# Altium PCB Digital_Output_PCB.PcbDoc (part 1 of 3) (continued)
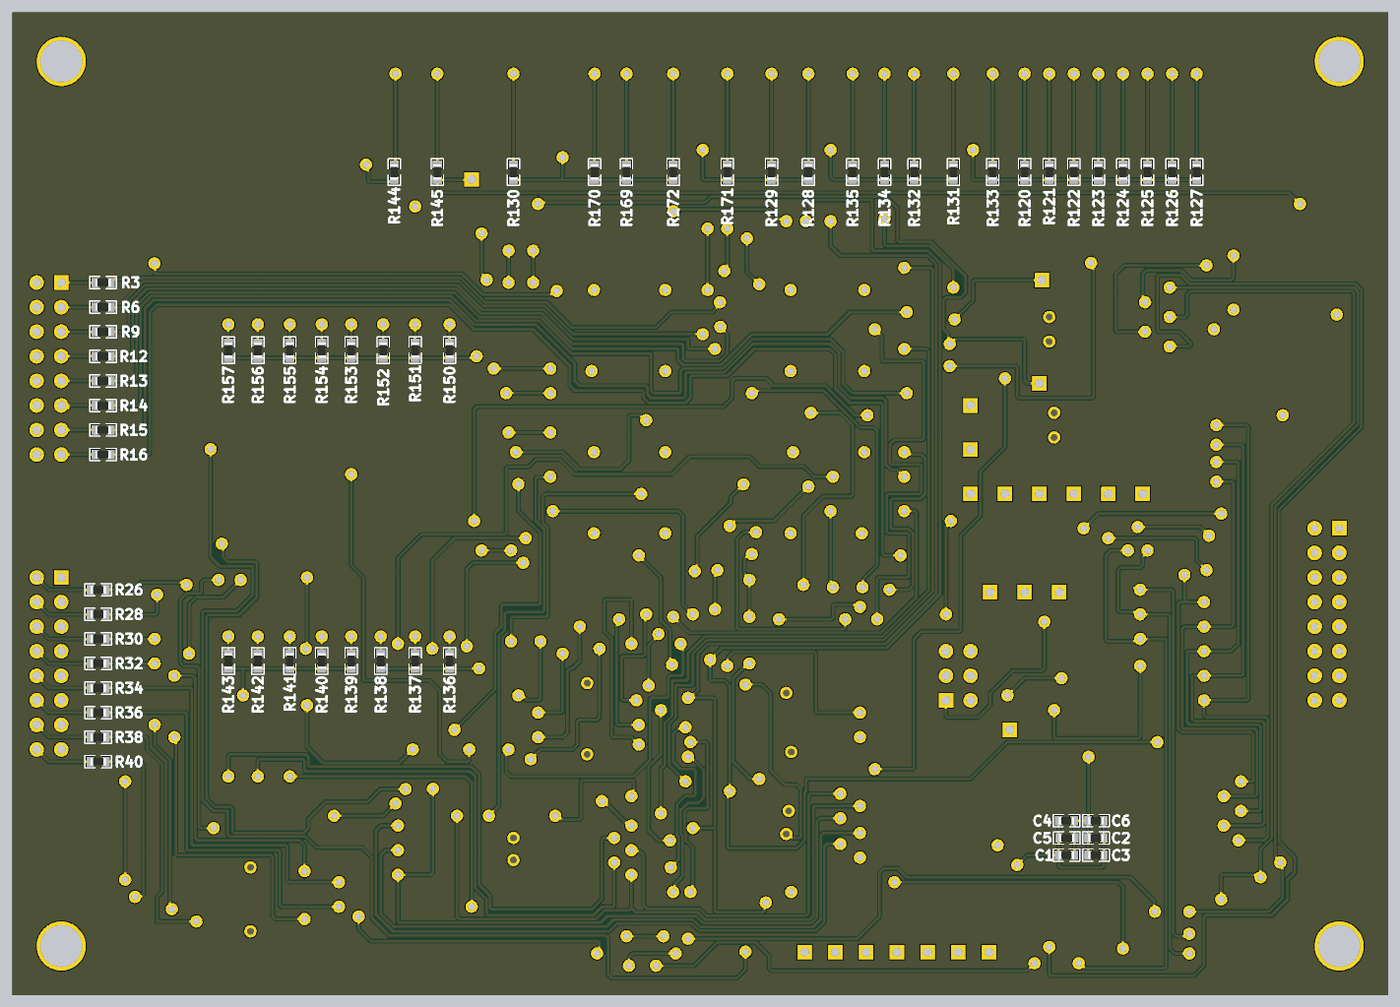
[diagram p7: 3D render of the assembled board from below, using the file's embedded part models]

## Layer stack, top to bottom
Top Solder: solder mask 0.4, Solder Resist, Dk 3.5
Top Layer: signal copper 1.4
Dielectric 2: prepreg 2.8, PP-006, Dk 4.1
Plane(Gnd): plane copper 1.378, net GND
Dielectric 1: dielectric 12.6, FR-4, Dk 4.8
Plane(Power): plane copper 1.378, net +5
Dielectric 3: prepreg 2.8, PP-006, Dk 4.1
Bottom Layer: signal copper 1.4
Bottom Solder: solder mask 0.4, Solder Resist, Dk 3.5

## Board outline
0,0 0,4000 5600,4000 5600,0

## Design rules (kind name [scope] priority, off if disabled: settings)
Clearance [All] p1: gap=5 ignorepadtopadclearanceinfootprint=FALSE
HoleSize [All] p1: absolutevalues=TRUE maxlimit=200 minlimit=1 maxpercent=80.000 minpercent=20.000
HoleToHoleClearance [All] p1: gap=5 allowstackedmicrovias=TRUE
MinimumSolderMaskSliver [All] p1: minsoldermaskwidth=1.5
PlaneClearance [All] p1: clearance=20
PlaneConnect [All] p1: planeconnectstyle=Relief reliefexpansion=20 reliefentries=4 reliefconductorwidth=10 reliefairgap=10
PolygonConnect [All] p1: connectstyle=Relief reliefconductorwidth=10 reliefentries=4 polygonreliefangle="90 Angle" airgapwidth=10
RoutingVias [All] p1: holewidth=28 width=50 viastyle="Through Hole" minholewidth=28 minwidth=50 maxholewidth=28 maxwidth=50
SilkToSilkClearance [All] p1: silktosilkclearance=4
SilkToSolderMaskClearance [IsPad] p1: minsilkscreentomaskgap=3.5 clearancetoexposedcopper=TRUE
SolderMaskExpansion [All] p1: expansion=4 istentingtop=FALSE
Width [All] p1: maxlimit=10 minlimit=5 preferedwidth=10 minimp=50.000000 maximp=50.000000 favimp=50.000000
23 further rules are at their usual default settings.

## Classes and differential pairs
component class Digital_Output: B1 B2 B3 B4 B5 B6 B7 B8 B9 B10 H1 H2 R1 R2 R3 R4 R5 R6 R7 R8 R9 R10 R11 R12 R13 R14 R15 R16 R17 R18 R19 R20 R21 R22 R23 R24 R25 R26 R27 R28 R29 R30 R31 R32 R33 R34 R35 R36 R37 R38 R39 R40 R41 R42 R43 R44 R45 R46 R47 R48 R49 R50 R51 R52 R53 R54 R55 R56 R57 R58 R59 R60 R61 R62 R63 R64
component class Digital_Output_LED_Monitor: LED1 LED2 LED3 LED4 LED5 LED6 LED7 LED8 LED9 LED10 LED11 LED12 LED13 LED14 LED15 LED16 LED17 LED18 LED19 LED20 LED21 LED22 LED23 LED24 LED25 LED26 LED27 LED28 LED29 LED30 LED31 LED32 LED33 LED34 LED35 LED36 LED37 LED38 R120 R121 R122 R123 R124 R125 R126 R127 R128 R129 R130 R131 R132 R133 R134 R135 R136 R137 R138 R139 R140 R141 R142 R143 R144 R145 R146 R147 R148 R149 R150 R151 R152 R153 R154 R155 R156 R157 R158 R159 R160 R161 R162 R163 R164 R165 R166 R167 R168 R169 R170 R171 R172 R173 R174 R175 R176 R177 R178 R179 R180 R181 R182 R183 R184 R185 R186 R187 R188 R189 R190 R191 R192 R193 TP13 TP14 TP15 TP16 TP17 TP18 TP19 TP20 TP21 TP22 U3 U4 U5 U6
component class Digital_Output_CPU: C1 C2 C3 C4 C5 C6 H3 H4 IC1 R65 R66 R67 R68 R69 R70 R71 R72 R73 R74 R75 R76 R77 R78 R79 R80 R81 R82 R83 R84 R85 R86 R87 R88 R89 R90 R91 R92 R93 R94 R95 R96 R97 R98 R99 R100 R101 R102 R103 R104 R105 R106 R107 R108 R109 R110 R111 R112 R113 R114 R115 R116 R117 R118 R119 TP1 TP2 TP3 TP4 TP5 TP6 TP7 TP8 TP9 TP10 TP11 TP12 U1 U2

## Components (designator, comment, footprint, x,y, rotation, side; value= is the part's Value field where it differs from the comment)
B1 "DG3157EDL-T1-GE3" SOT65P210X110-6N 2282.4,2870 r0 top locked
B2 "DG3157EDL-T1-GE3" SOT65P210X110-6N 3087.4,2870 r0 top locked
B3 "DG3157EDL-T1-GE3" SOT65P210X110-6N 2282.4,2540 r0 top locked
B4 "DG3157EDL-T1-GE3" SOT65P210X110-6N 3087.4,2540 r0 top locked
B5 "DG3157EDL-T1-GE3" SOT65P210X110-6N 2282.4,2210 r0 top locked
B6 "DG3157EDL-T1-GE3" SOT65P210X110-6N 3087.4,2210 r0 top locked
B7 "SN75ALS194DR" SOIC127P600X175-16N 3260,1125 r0 top locked
B8 "DG3157EDL-T1-GE3" SOT65P210X110-6N 2282.4,1880 r0 top locked
B9 "DG3157EDL-T1-GE3" SOT65P210X110-6N 3087.4,1880 r0 top locked
B10 "SN75ALS194DR" SOIC127P600X175-16N 4630,380 r0 top locked
C1 "1uf" 0603 1310,570 r180 bottom locked
C2 "100nf" 0603 1190,640 r0 bottom locked
C3 "1uf" 0603 1190,570 r0 bottom locked
C4 "100nf" 0603 1310,710 r180 bottom locked
C5 "1uf" 0603 1308.5,640 r180 bottom locked
C6 "100nf" 0603 1190,710 r0 bottom locked
H1 "Header_IDC_2x8" HDR2X8 5400,2900 r270 top locked
H2 "Header_IDC_2x8" HDR2X8 5400,1700 r270 top locked
H3 "Header_IDC_2x8" HEADER16 200,1900 r0 top locked
H4 "UDPI Programmer" HDR2X3 1800,1200 r90 top
IC1 "AVR64DD32-I_PT" QFP80P900X900X120-32N 1240,640 r0 top
LED1 "green" 0603_Diode 1480,3350 r90 top
LED2 "green" 0603_Diode 1380,3350 r90 top
LED3 "green" 0603_Diode 1280,3350 r90 top
LED4 "green" 0603_Diode 1180,3350 r90 top
LED5 "green" 0603_Diode 1080,3350 r90 top
LED6 "green" 0603_Diode 980,3350 r90 top
LED7 "green" 0603_Diode 880,3350 r90 top
LED8 "green" 0603_Diode 780,3350 r90 top
LED9 "green" 0603_Diode 2360,3350 r90 top
LED10 "green" 0603_Diode 2510,3350 r90 top
LED11 "green" 0603_Diode 3560,3350 r90 top
LED12 "green" 0603_Diode 1770,3350 r90 top
LED13 "green" 0603_Diode 1930,3350 r90 top
LED14 "green" 0603_Diode 1610,3350 r90 top
LED15 "green" 0603_Diode 2050,3350 r90 top
LED16 "green" 0603_Diode 2180,3350 r90 top
LED17 "green" 0603_Diode 3820,1360 r90 top locked
LED18 "green" 0603_Diode 3960,1360 r90 top locked
LED19 "green" 0603_Diode 4100,1360 r90 top locked
LED20 "green" 0603_Diode 4220,1360 r90 top locked
LED21 "green" 0603_Diode 4340,1360 r90 top locked
LED22 "green" 0603_Diode 4470,1360 r90 top locked
LED23 "green" 0603_Diode 4600,1360 r90 top locked
LED24 "green" 0603_Diode 4720,1360 r90 top locked
LED25 "green" 0603_Diode 4045,3350 r90 top locked
LED26 "green" 0603_Diode 3870,3350 r90 top locked
LED27 "green" 0603_Diode 3820,2625 r90 top
LED28 "green" 0603_Diode 3960,2625 r90 top
LED29 "green" 0603_Diode 4090,2625 r90 top
LED30 "green" 0603_Diode 4220,2625 r90 top
LED31 "green" 0603_Diode 4340,2625 r90 top
LED32 "green" 0603_Diode 4470,2625 r90 top
LED33 "green" 0603_Diode 4600,2625 r90 top
LED34 "green" 0603_Diode 4720,2625 r90 top
LED35 "green" 0603_Diode 3100,3350 r90 top
LED36 "green" 0603_Diode 3230,3350 r90 top
LED37 "green" 0603_Diode 2690,3350 r90 top
LED38 "green" 0603_Diode 2910,3350 r90 top
R1 "0R" 0603 2082.4,2780 r180 top locked
R2 "0R" 0603 2887.4,2780 r180 top locked
R3 "0R" 0603 5230,2900 r0 bottom locked
R4 "0R" 0603 2082.4,2960 r180 top locked
R5 "0R" 0603 2887.4,2960 r180 top locked
R6 "0R" 0603 5230,2800 r0 bottom locked
R7 "0R" 0603 2482.4,2780 r180 top locked
R8 "0R" 0603 3287.4,2780 r180 top locked
R9 "0R" 0603 5230,2700 r0 bottom locked
R10 "0R" 0603 2482.4,2960 r0 top locked
R11 "0R" 0603 3287.4,2960 r0 top locked
R12 "0R" 0603 5230,2600 r0 bottom locked
R13 "0R" 0603 5230,2500 r0 bottom locked
R14 "0R" 0603 5230,2400 r0 bottom locked
R15 "0R" 0603 5230,2300 r0 bottom locked
R16 "0R" 0603 5230,2200 r0 bottom locked
R17 "0R" 0603 2082.4,2450 r180 top locked
R18 "0R" 0603 2887.4,2450 r180 top locked
R19 "0R" 0603 2082.4,2630 r180 top locked
R20 "0R" 0603 2887.4,2630 r180 top locked
R21 "0R" 0603 2482.4,2450 r180 top locked
R22 "0R" 0603 3287.4,2450 r180 top locked
R23 "0R" 0603 2482.4,2630 r0 top locked
R24 "0R" 0603 3287.4,2630 r0 top locked
R25 "0R" 0603 5250,1700 r0 top locked
R26 "0R" 0603 5250,1650 r180 bottom locked
R27 "0R" 0603 5250,1600 r0 top locked
R28 "0R" 0603 5250,1550 r180 bottom locked
R29 "0R" 0603 5250,1500 r0 top locked
R30 "0R" 0603 5250,1450 r180 bottom locked
R31 "0R" 0603 5250,1400 r0 top locked
R32 "0R" 0603 5250,1350 r180 bottom locked
R33 "0R" 0603 5250,1300 r0 top locked
R34 "0R" 0603 5250,1250 r180 bottom locked
R35 "0R" 0603 5250,1200 r0 top locked
R36 "0R" 0603 5250,1150 r180 bottom locked
R37 "0R" 0603 5250,1100 r0 top locked
R38 "0R" 0603 5250,1050 r180 bottom locked
R39 "0R" 0603 5250,1000 r0 top locked
R40 "0R" 0603 5250,950 r180 bottom locked
R41 "0R" 0603 2082.4,2110 r180 top locked
R42 "0R" 0603 2887.4,2110 r180 top locked
R43 "0R" 0603 2082.4,2290 r180 top locked
R44 "0R" 0603 2887.4,2290 r180 top locked
R45 "0R" 0603 2482.4,2110 r180 top locked
R46 "0R" 0603 3287.4,2110 r180 top locked
R47 "0R" 0603 2482.4,2290 r0 top locked
R48 "0R" 0603 3287.4,2290 r0 top locked
R49 "0R" 0603 3010,1330 r0 top locked
R50 "0R" 0603 3010,880 r0 top locked
R51 "0R" 0603 3550,880 r180 top locked
R52 "0R" 0603 3550,1330 r180 top locked
R53 "0R" 0603 2082.4,1790 r180 top locked
R54 "0R" 0603 2887.4,1790 r180 top locked
R55 "0R" 0603 2082.4,1970 r180 top locked
R56 "0R" 0603 2887.4,1970 r180 top locked
R57 "0R" 0603 2482.4,1790 r180 top locked
R58 "0R" 0603 3287.4,1790 r180 top locked
R59 "0R" 0603 2482.4,1970 r0 top locked
R60 "0R" 0603 3287.4,1970 r0 top locked
R61 "0R" 0603 4320,560 r0 top
R62 "0R" 0603 4320,250 r0 top locked
R63 "0R" 0603 4920,200 r180 top locked
R64 "0R" 0603 4920,510 r180 top locked
R65 "0R" 0603 600,1900 r180 top locked
R66 "0R" 0603 1400,1390 r90 top
R67 "0R" 0603 600,1800 r180 top locked
R68 "0R" 0603 1470,1390 r270 top
R69 "0R" 0603 1540,1390 r90 top
R70 "0R" 0603 600,1700 r180 top locked
R71 "0R" 0603 900,1650 r0 top locked
R72 "0R" 0603 1330,1390 r270 top
R73 "0R" 0603 600,1600 r180 top locked
R74 "0R" 0603 900,1550 r0 top locked
R75 "0R" 0603 600,1500 r180 top locked
R76 "0R" 0603 900,1450 r0 top locked
R77 "0R" 0603 600,1400 r180 top locked
R78 "0R" 0603 900,1350 r0 top locked
R79 "0R" 0603 600,1300 r180 top
R80 "0R" 0603 600,1200 r180 top locked
R81 "0R" 0603 1150,1050 r270 top locked
R82 "0R" 0603 1300,1051.5 r90 top locked
R83 "0R" 0603 1090,1050 r270 top locked
R84 "0R" 0603 1360,1050 r90 top locked
R85 "0R" 0603 1030,1050 r270 top locked
R86 "0R" 0603 1420,1050 r90 top locked
R87 "0R" 0603 800,870 r0 top locked
R88 "0R" 0603 1650,940 r0 top locked
R89 "0R" 0603 800,810 r0 top locked
R90 "0R" 0603 1650,880 r0 top locked
R91 "0R" 0603 800,750 r0 top locked
R92 "0R" 0603 1650,820 r0 top locked
R93 "0R" 0603 800,690 r0 top locked
R94 "0R" 0603 1650,760 r0 top locked
R95 "0R" 0603 800,630 r0 top locked
R96 "0R" 0603 1650,700 r0 top locked
R97 "0R" 0603 1650,520 r0 top locked
R98 "0R" 0603 800,570 r0 top locked
R99 "0R" 0603 1440,290 r270 top
R100 "0R" 0603 800,510 r0 top locked
R101 "0R" 0603 1380,288 r270 top
R102 "0R" 0603 800,450 r0 top locked
R103 "0R" 0603 1320,288 r270 top
R104 "0R" 0603 1080,288 r90 top
R105 "0R" 0603 1260,288 r270 top
R106 "0R" 0603 1200,288 r270 top
R107 "0R" 0603 1140,288 r270 top
R108 "0R" 0603 2730,1090 r180 top locked
R109 "0R" 0603 2730,560 r180 top locked
R110 "0R" 0603 2730,1150 r180 top locked
R111 "0R" 0603 2730,620 r180 top locked
R112 "0R" 0603 2730,1270 r180 top locked
R113 "0R" 0603 2730,740 r180 top locked
R114 "0R" 0603 2730,1210 r180 top locked
R115 "0R" 0603 2730,680 r180 top locked
R116 "0R" 0603 2730,1030 r180 top locked
R117 "0R" 0603 2730,500 r180 top locked
R118 "0R" 0603 2730,970 r0 top locked
R119 "0R" 0603 2730,430 r0 top locked
R120 "180" 0603 1480,3350 r270 bottom locked
R121 "180" 0603 1380,3350 r270 bottom locked
R122 "180" 0603 1280,3350 r270 bottom locked
R123 "180" 0603 1180,3350 r270 bottom locked
R124 "180" 0603 1080,3350 r270 bottom locked
R125 "180" 0603 980,3350 r270 bottom locked
R126 "180" 0603 880,3350 r270 bottom locked
R127 "180" 0603 780,3350 r270 bottom locked
R128 "180" 0603 2360,3350 r270 bottom locked
R129 "180" 0603 2510,3350 r270 bottom locked
R130 "180" 0603 3560,3350 r270 bottom locked
R131 "180" 0603 1770,3350 r270 bottom locked
R132 "180" 0603 1930,3350 r270 bottom locked
R133 "180" 0603 1610,3350 r270 bottom locked
R134 "180" 0603 2050,3350 r270 bottom locked
R135 "180" 0603 2180,3350 r270 bottom locked
R136 "180" 0603 3820,1360 r270 bottom
R137 "180" 0603 3960,1360 r270 bottom
R138 "180" 0603 4100,1360 r270 bottom
R139 "180" 0603 4220,1360 r270 bottom
R140 "180" 0603 4340,1360 r270 bottom
R141 "180" 0603 4470,1360 r270 bottom
R142 "180" 0603 4600,1360 r270 bottom
R143 "180" 0603 4720,1360 r270 bottom
R144 "180" 0603 4045,3350 r270 bottom locked
R145 "180" 0603 3870,3350 r270 bottom locked
R146 "0R" 0603 4720,1010 r270 top
R147 "0R" 0603 3260,690 r180 top locked
R148 "0R" 0603 4600,1010 r270 top
R149 "0R" 0603 3260,590 r180 top locked
R150 "180" 0603 3820,2625 r270 bottom locked
R151 "180" 0603 3960,2625 r270 bottom locked
R152 "180" 0603 4090,2625 r270 bottom locked
R153 "180" 0603 4220,2625 r270 bottom locked
R154 "180" 0603 4340,2625 r270 bottom locked
R155 "180" 0603 4470,2625 r270 bottom locked
R156 "180" 0603 4600,2625 r270 bottom locked
R157 "180" 0603 4720,2625 r270 bottom locked
R158 "0R" 0603 4470,1008.5 r270 top
R159 "0R" 0603 3258.5,490 r180 top locked
R160 "0R" 0603 4340,1010 r270 top
R161 "0R" 0603 3910,490 r0 top
R162 "0R" 0603 4220,1010 r270 top
R163 "0R" 0603 3910,590 r0 top
R164 "0R" 0603 4100,1010 r270 top
R165 "0R" 0603 3910,690 r0 top
R166 "0R" 0603 4720,2250 r270 top locked
R167 "0R" 0603 4600,2250 r270 top locked
R168 "0R" 0603 4470,2250 r270 top locked
R169 "180" 0603 3100,3350 r270 bottom locked
R170 "180" 0603 3230,3350 r270 bottom locked
R171 "180" 0603 2690,3350 r270 bottom locked
R172 "180" 0603 2910,3350 r270 bottom locked
R173 "0R" 0603 4340,2250 r270 top locked
R174 "0R" 0603 4220,2250 r270 top locked
R175 "0R" 0603 4090,2250 r270 top locked
R176 "0R" 0603 3960,2250 r270 top locked
R177 "0R" 0603 3820,2250 r270 top locked
R178 "0R" 0603 1110,2820 r0 top locked
R179 "0R" 0603 1110,2880 r180 top locked
R180 "0R" 0603 1000,2350 r0 top
R181 "0R" 0603 1000,2410 r180 top
R182 "0R" 0603 1110,2700 r0 top locked
R183 "0R" 0603 1110,2760 r180 top locked
R184 "0R" 0603 1000,2230 r0 top
R185 "0R" 0603 1000,2290 r180 top
R186 "0R" 0603 1110,2580 r0 top locked
R187 "0R" 0603 1110,2640 r180 top locked
R188 "0R" 0603 1650,2560 r180 top locked
R189 "0R" 0603 1650,2620 r0 top locked
R190 "0R" 0603 1650,2680 r180 top locked
R191 "0R" 0603 1650,2740 r0 top locked
R192 "0R" 0603 1650,2800 r180 top locked
R193 "0R" 0603 1650,2860 r0 top locked
TP1 "TP" TP 3730,3320 r0 top
TP2 "TP" TP 1480,1640 r0 top locked
TP3 "TP" TP 1620,1640 r0 top locked
TP4 "TP" TP 1340,1640 r0 top locked
TP5 "TP" TP 1540,1080 r0 top
TP6 "TP" TP 2375,175 r0 top
TP7 "TP" TP 2250,175 r0 top
TP8 "TP" TP 2125,175 r0 top
TP9 "TP" TP 2000,175 r0 top
TP10 "TP" TP 1875,175 r0 top
TP11 "TP" TP 1750,175 r0 top
TP12 "TP" TP 1625,175 r0 top
TP13 "TP" TP 1140,2040 r0 top locked
TP14 "TP" TP 1000,2040 r0 top locked
TP15 "TP" TP 1410,2910 r0 top locked
TP16 "TP" TP 1280,2040 r0 top locked
TP17 "TP" TP 1420,2040 r0 top locked
TP18 "TP" TP 1420,2490 r0 top locked
TP19 "TP" TP 1560,2040 r0 top locked
TP20 "TP" TP 1700,2040 r0 top locked
TP21 "TP" TP 1700,2400 r0 top locked
TP22 "TP" TP 1700,2220 r0 top locked
U1 "SN74HC595DR" SOIC_16_Narrow 2430,640 r0 top locked
U2 "SN74HC595DR" SOIC_16_Narrow 2430,1125 r0 top locked
U3 "SN74ABT240ADBR" SOP65P780X200-20N 430,2580 r0 top
U4 "SN74AC04PWR" SOP65P640X120-14N 3564.33,591.18 r0 top locked
U5 "SN74AC04PWR" SOP65P640X120-14N 1380,2710 r0 top locked
U6 "SN74AC04PWR" SOP65P640X120-14N 1360,2320 r0 top locked

## Footprints (in the part's own frame and the unit in brackets; to place one, negate y for a bottom-side part, rotate by r counter-clockwise, add the part's x,y. Pads: shape width x height; smd on the part's side, far side on the other; paste and mask are expansions set on the pad)
0603 [mm]
  rect 0.8x0.95 smd: 1(-0.8,0) 2(0.8,0)
  silkscreen extent -1.37,-0.64 1.37,0.64, body extent -0.8,-0.4 0.8,0.4, height 0.55
0603_Diode [mm]
  rect 0.8x0.8 smd: 1(-0.8,0) 2(0.8,0)
  silkscreen extent -2.03,-0.89 2.03,1.02
HDR2X3 [mm] "Connector; Header; 3x2 Position"
  rect 1.5x1.5 hole 0.9: 1(0,0)
  round 1.5 hole 0.9: 2(0,2.54) 3(2.54,0) 4(2.54,2.54) 5(5.08,0) 6(5.08,2.54)
  silkscreen extent -1.27,-1.27 6.35,3.81
HDR2X8 [mm] "Connector; Header; 8x2 Position"
  rect 1.5x1.5 hole 0.9: 1(0,0)
  round 1.5 hole 0.9: 2(0,2.54) 3(2.54,0) 4(2.54,2.54) 5(5.08,0) 6(5.08,2.54) 7(7.62,0) 8(7.62,2.54) 9(10.16,0) 10(10.16,2.54) 11(12.7,0) 12(12.7,2.54) 13(15.24,0) 14(15.24,2.54) 15(17.78,0) 16(17.78,2.54)
  silkscreen extent -1.27,-1.27 19.05,3.81
HEADER16 [mil]
  rect 60x60 hole 31.5: 1(0,0)
  round 60 hole 31.5: 2(100,0) 3(0,-100) 4(100,-100) 5(0,-200) 6(100,-200) 7(0,-300) 8(100,-300) 9(0,-400) 10(100,-400) 11(0,-500) 12(100,-500) 13(0,-600) 14(100,-600) 15(0,-700) 16(100,-700)
  silkscreen extent -130,-900 230,200
QFP80P900X900X120-32N [mm]
  rect 1.475x0.6 smd: 1(-4.238,2.8) 2(-4.238,2) 3(-4.238,1.2) 4(-4.238,0.4) 5(-4.238,-0.4) 6(-4.238,-1.2) 7(-4.238,-2) 8(-4.238,-2.8) 17(4.238,-2.8) 18(4.238,-2) 19(4.238,-1.2) 20(4.238,-0.4) 21(4.238,0.4) 22(4.238,1.2) 23(4.238,2) 24(4.238,2.8)
  rect 0.6x1.475 smd: 9(-2.8,-4.238) 10(-2,-4.238) 11(-1.2,-4.238) 12(-0.4,-4.238) 13(0.4,-4.238) 14(1.2,-4.238) 15(2,-4.238) 16(2.8,-4.238) 25(2.8,4.238) 26(2,4.238) 27(1.2,4.238) 28(0.4,4.238) 29(-0.4,4.238) 30(-1.2,4.238) 31(-2,4.238) 32(-2.8,4.238)
  silkscreen extent -4.77,-3.15 3.15,4.2, body extent -4.5,-4.5 4.5,4.5, height 1.2
SOIC127P600X175-16N [mm]
  rect 1.525x0.65 smd: 1(-2.712,4.445) 2(-2.712,3.175) 3(-2.712,1.905) 4(-2.712,0.635) 5(-2.712,-0.635) 6(-2.712,-1.905) 7(-2.712,-3.175) 8(-2.712,-4.445) 9(2.712,-4.445) 10(2.712,-3.175) 11(2.712,-1.905) 12(2.712,-0.635) 13(2.712,0.635) 14(2.712,1.905) 15(2.712,3.175) 16(2.712,4.445)
  silkscreen extent -3.47,-4.95 1.6,5.12, body extent -3.01,-4.95 3.01,4.95, height 1.75
SOIC_16_Narrow [mm]
  rect 1.525x0.65 smd: 1(-2.712,4.445) 2(-2.712,3.175) 3(-2.712,1.905) 4(-2.712,0.635) 5(-2.712,-0.635) 6(-2.712,-1.905) 7(-2.712,-3.175) 8(-2.712,-4.445) 9(2.712,-4.445) 10(2.712,-3.175) 11(2.712,-1.905) 12(2.712,-0.635) 13(2.712,0.635) 14(2.712,1.905) 15(2.712,3.175) 16(2.712,4.445)
  silkscreen extent -3.47,-4.95 1.6,5.12, body extent -3.01,-4.95 3.01,4.95, height 1.75
SOP65P640X120-14N [mm]
  rect 1.475x0.45 smd: 1(-2.938,1.95) 2(-2.938,1.3) 3(-2.938,0.65) 4(-2.938,0) 5(-2.938,-0.65) 6(-2.938,-1.3) 7(-2.938,-1.95) 8(2.938,-1.95) 9(2.938,-1.3) 10(2.938,-0.65) 11(2.938,0) 12(2.938,0.65) 13(2.938,1.3) 14(2.938,1.95)
  silkscreen extent -3.67,-2.5 1.85,2.52, body extent -3.2,-2.5 3.2,2.5, height 1.13
SOP65P780X200-20N [mm]
  rect 1.8x0.45 smd: 1(-3.55,2.925) 2(-3.55,2.275) 3(-3.55,1.625) 4(-3.55,0.975) 5(-3.55,0.325) 6(-3.55,-0.325) 7(-3.55,-0.975) 8(-3.55,-1.625) 9(-3.55,-2.275) 10(-3.55,-2.925) 11(3.55,-2.925) 12(3.55,-2.275) 13(3.55,-1.625) 14(3.55,-0.975) 15(3.55,-0.325) 16(3.55,0.325) 17(3.55,0.975) 18(3.55,1.625) 19(3.55,2.275) 20(3.55,2.925)
  silkscreen extent -4.45,-3.6 2.3,3.6, body extent -4.03,-3.6 3.77,3.6, height 1.9
SOT65P210X110-6N [mm]
  rect 1.05x0.4 smd: 1(-0.95,0.65) 2(-0.95,0) 3(-0.95,-0.65) 4(0.95,-0.65) 5(0.95,0) 6(0.95,0.65)
  silkscreen extent -1.48,-1.01 0.08,1.2, body extent -1.05,-1.01 1.05,1.01, height 1.1
TP [mm] "Test Point"
  rect 1.5x1.5 hole 0.9: 1(0,0)
  silkscreen extent -1.27,-1.27 1.27,1.27

## Part data
B1 B2 B3 B4 B5 B6 B8 B9: "Vishay DG3157EDL-T1-GE3 Analogue SPDT Switch 1.65 to 5.5 V, 6-Pin SC-70", Manufacturer_Name=Vishay, Mouser Part Number=78-DG3157EDL-T1-GE3, Datasheet Link=https://eagle.componentsearchengine.com/Datasheets/2/DG3157EDL-T1-GE3.pdf, Geometry.Height=1.1mm, Manufacturer_Part_Number=DG3157EDL-T1-GE3, Mouser Price/Stock=https://www.mouser.co.uk/ProductDetail/Vishay-Siliconix/DG3157EDL-T1-GE3?qs=fA06TrWLL4foa%252BeCWkw4dg%3D%3D
B7 B10: "Quadruple Differential Line Driver", Manufacturer_Name="Texas Instruments", Mouser Part Number=595-SN75ALS194DR, Datasheet Link=http://www.ti.com/lit/gpn/sn75als194, Geometry.Height=1.75mm, Manufacturer_Part_Number=SN75ALS194DR, Mouser Price/Stock=https://www.mouser.co.uk/ProductDetail/Texas-Instruments/SN75ALS194DR?qs=o4busQjUnQZsKwe8Vn%2FFUg%3D%3D
C1 C3 C5: library part CL10B105KA8NNNL, "Samsung Electro-Mechanics 0603 1uf"
C2 C4 C6: library part CL10B104JB8NNNC, "Samsung Electro-Mechanics 0603 100nf"
H1 H2 H3: "16 Pin 2x8 Through Hold IDC Connector", Color=Black, Manufacturer=Samtec, Manufacturer Part Number=TST-108-01-G-D, Max Operating Temperature=125°C, Min Operating Temperature=-55°C, Supplier Part Number 1=SAM10835-ND, Category="Headers and Wire Housings", ComponentLink1Description=https://datasheet.ciiva.com/739/tst-mkt-739845.pdf?src-supplier=Digi-Key, ComponentLink1URL=https://datasheet.ciiva.com/739/tst-mkt-739845.pdf?src-supplier=Digi-Key, ComponentLink2Description=https://datasheet.ciiva.com/10018/htst-10018510.pdf?src-supplier=Avnet, ComponentLink2URL=https://datasheet.ciiva.com/10018/htst-10018510.pdf?src-supplier=Avnet, Connector Type="Male Pin", Contact Material=Bronze, Contact Mating Length=0.25inch, Contact Plating=Gold, Depth=9.27mm, Gender=Male, Housing Color=Black, Housing Material=Polyester, Length=27.94mm, Mount="Through Hole", Number of Contacts=16, Number of Positions=16, Number of Rows=2, Orientation=Straight, Packaging=Rail/Tube, Pitch=2.54mm, Pricing 1="1=2.85000, 10=2.73600, 100=2.28000, 500=1.93800, 1000=1.65300, 5000=1.48200 (USD)", REACH SVHC="No SVHC", RoHS=Yes, Row Spacing=0.1inch, Stock 1=227, Supplier 1=Digi-Key, Termination=Solder
H4: "6 Pin 2X3 Through Hole Header"
IC1: "Integrated Circuit", Manufacturer_Name=Microchip, Manufacturer_Part_Number="AVR64DD32-I/PT | MULTI-VOLTAGE I/O", Datasheet Link=https://www.microchip.com/en-us/product/AVR64DD32, Height=1.2mm
LED1 LED2 LED3 LED4 LED5 LED6 LED7 LED8 LED9 LED10 LED11 LED12 LED13 LED14 LED15 LED16 LED17 LED18 LED19 LED20 LED21 LED22 LED23 LED24 LED25 LED26 LED27 LED28 LED29 LED30 LED31 LED32 LED33 LED34 LED35 LED36 LED37 LED38: library part 150060GS75000, "Wurth Elektronik 0603 green", Case Code (Imperial)=0603, Case Code (Metric)=1608, Color=Green, Forward Current=30mA, Forward Voltage=3.2V, Manufacturer="Wurth Electronics", Max Operating Temperature=85°C, Min Operating Temperature=-40°C, Package Quantity=4000, Test Current=20mA, Case/Package=0603, Category=LEDs, ComponentLink1Description=https://datasheet.ciiva.com/29562/150060gs75000-29562868.pdf?src-supplier=Digi-Key, ComponentLink1URL=https://datasheet.ciiva.com/29562/150060gs75000-29562868.pdf?src-supplier=Digi-Key, ComponentLink2Description=https://datasheet.ciiva.com/29279/759427-da-01-en-chipled-0603-w-kl-gruen-150060gs75000-29279201.pdf?src-supplier=Conrad, ComponentLink2URL=https://datasheet.ciiva.com/29279/759427-da-01-en-chipled-0603-w-kl-gruen-150060gs75000-29279201.pdf?src-supplier=Conrad, ComponentLink3Description=https://datasheet.ciiva.com/29562/150060gs75000-29562869.pdf?src-supplier=Digi-Key, ComponentLink3URL=https://datasheet.ciiva.com/29562/150060gs75000-29562869.pdf?src-supplier=Digi-Key, ComponentLink4Description=https://datasheet.ciiva.com/29562/150060gs75000-29562870.pdf?src-supplier=Digi-Key, ComponentLink4URL=https://datasheet.ciiva.com/29562/150060gs75000-29562870.pdf?src-supplier=Digi-Key, Dominant Wavelength=520nm, Height=0.7mm, Lead Free="Lead Free", Length=1.6mm, Lens Style=Clear,Rectangular, Luminous Intensity=430mcd, Manufacturer Part Number=150060GS75000, Mount="Surface Mount", Packaging="Tape and Reel", Pricing 1="1=0.14000, 50=0.13300, 100=0.11400, 500=0.09900 (USD)", REACH SVHC=Unknown, RoHS=Yes, Stock 1=71509, Supplier 1=Digi-Key, Viewing Angle=140°, Wavelength=520nm, Width=0.8mm
R1 R2 R3 R4 R5 R6 R7 R8 R9 R10 R11 R12 R13 R14 R15 R16 R17 R18 R19 R20 R21 R22 R23 R24 R25 R26 R27 R28 R29 R30 R31 R32 R33 R34 R35 R36 R37 R38 R39 R40 R41 R42 R43 R44 R45 R46 R47 R48 R49 R50 R51 R52 R53 R54 R55 R56 R57 R58 R59 R60 R61 R62 R63 R64 R65 R66 R67 R68 R69 R70 R71 R72 R73 R74 R75 R76 R77 R78 R79 R80 R81 R82 R83 R84 R85 R86 R87 R88 R89 R90 R91 R92 R93 R94 R95 R96 R97 R98 R99 R100 R101 R102 R103 R104 R105 R106 R107 R108 R109 R110 R111 R112 R113 R114 R115 R116 R117 R118 R119 R146 R147 R148 R149 R158 R159 R160 R161 R162 R163 R164 R165 R166 R167 R168 R173 R174 R175 R176 R177 R178 R179 R180 R181 R182 R183 R184 R185 R186 R187 R188 R189 R190 R191 R192 R193: library part RC0603JR-070RL, "YAGEO 0603 0 ohm", Manufacturer_Name=KEMET, Mouser Part Number=603-RC0603JR-070RL, Datasheet Link=https://datasheet.datasheetarchive.com/originals/distributors/Datasheets_SAMA/902f9e387b938f871d31120f5fc1d65e.pdf, Geometry.Height=0.55mm, Manufacturer_Part_Number=RC0603JR-070RL, Mouser Price/Stock=https://www.mouser.co.uk/ProductDetail/YAGEO/RC0603JR-070RL?qs=2cAdsCoAWRGWyPcuXgGiXQ%3D%3D
R120 R121 R122 R123 R124 R125 R126 R127 R128 R129 R130 R131 R132 R133 R134 R135 R136 R137 R138 R139 R140 R141 R142 R143 R144 R145 R150 R151 R152 R153 R154 R155 R156 R157 R169 R170 R171 R172: library part RC0603FR-13180RL, "YAGEO 0603 180 ohm", Manufacturer_Name=KEMET, Manufacturer_Part_Number=RC0603JR-070RL, Mouser Part Number=603-RC0603JR-070RL, Datasheet Link=https://datasheet.datasheetarchive.com/originals/distributors/Datasheets_SAMA/902f9e387b938f871d31120f5fc1d65e.pdf, Geometry.Height=0.55mm, Mouser Price/Stock=https://www.mouser.co.uk/ProductDetail/YAGEO/RC0603JR-070RL?qs=2cAdsCoAWRGWyPcuXgGiXQ%3D%3D
TP1 TP2 TP3 TP4 TP5 TP6 TP7 TP8 TP9 TP10 TP11 TP12 TP13 TP14 TP15 TP16 TP17 TP18 TP19 TP20 TP21 TP22: Color=Black, Manufacturer=Samtec, Manufacturer Part Number=TST-105-01-G-D, Max Operating Temperature=125°C, Min Operating Temperature=-55°C, Category="Headers and Wire Housings", ComponentLink1Description=https://datasheet.ciiva.com/739/tst-mkt-739845.pdf?src-supplier=Digi-Key, ComponentLink1URL=https://datasheet.ciiva.com/739/tst-mkt-739845.pdf?src-supplier=Digi-Key, ComponentLink2Description=https://datasheet.ciiva.com/10018/htst-10018510.pdf?src-supplier=Avnet, ComponentLink2URL=https://datasheet.ciiva.com/10018/htst-10018510.pdf?src-supplier=Avnet, Connector Type="Male Pin", Contact Material=Bronze, Contact Mating Length=0.25inch, Contact Plating=Gold, Depth=9.27mm, Gender=Male, Housing Color=Black, Housing Material=Polyester, Length=27.94mm, Mount="Through Hole", Number of Contacts=16, Number of Positions=16, Number of Rows=2, Orientation=Straight, Packaging=Rail/Tube, Pitch=2.54mm, Pricing 1="1=2.85000, 10=2.73600, 100=2.28000, 500=1.93800, 1000=1.65300, 5000=1.48200 (USD)", REACH SVHC="No SVHC", RoHS=Yes, Row Spacing=0.1inch, Stock 1=227, Supplier 1=Digi-Key, Termination=Solder
U1 U2: "8-Bit Shift Registers With 3-State Output Registers, D0016A, LARGE T&R", Case/Package=SOIC, F @ Nom Voltage(Max)(Mhz)=28, Frequency=42MHz, Generic Part Number=SN74HC595, ICC @ Nom Voltage(Max)(mA)=0.08, Manufacturer="Texas Instruments", Max Input Current=1uA, Max Operating Temperature=85°C, Max Supply Voltage=6V, Min Operating Temperature=-40°C, Min Supply Voltage=2V, Operating Supply Voltage=5V, Operating Temperature Range(C)="-40 to 85", Package Quantity=2500, Quiescent Current=8uA, Rating=Military, Supplier Part Number 1=296-14857-1-ND, tpd @ Nom Voltage(Max)(ns)=34, Voltage(Nom)(V)=6, 3-State Output=Yes, Bits=4, Code_JEDEC="MS-012 variation AC", ComponentLink1Description=https://datasheet.ciiva.com/15093/getdatasheetpartid-134875-15093436.pdf?src-supplier=Verical, ComponentLink1URL=https://datasheet.ciiva.com/15093/getdatasheetpartid-134875-15093436.pdf?src-supplier=Verical, ComponentLink2Description=https://datasheet.ciiva.com/22696/1831198-22696812.pdf?src-supplier=Element14, ComponentLink2URL=https://datasheet.ciiva.com/22696/1831198-22696812.pdf?src-supplier=Element14, ComponentLink3Description=https://datasheet.ciiva.com/34301/916385-34301758.pdf?src-supplier=Jameco, ComponentLink3URL=https://datasheet.ciiva.com/34301/916385-34301758.pdf?src-supplier=Jameco, ComponentLink4Description=https://datasheet.ciiva.com/26866/sn74hc595dr-26866161.pdf?src-supplier=IIIC, ComponentLink4URL=https://datasheet.ciiva.com/26866/sn74hc595dr-26866161.pdf?src-supplier=IIIC, ComponentLink5Description=https://datasheet.ciiva.com/1886/sn74hc595-1886279.pdf?src-supplier=Digi-Key, ComponentLink5URL=https://datasheet.ciiva.com/1886/sn74hc595-1886279.pdf?src-supplier=Digi-Key, ComponentLink6Description=https://datasheet.ciiva.com/1886/sn74hc595-1886280.pdf?src-supplier=Digi-Key, ComponentLink6URL=https://datasheet.ciiva.com/1886/sn74hc595-1886280.pdf?src-supplier=Digi-Key, ComponentLink7Description=https://datasheet.ciiva.com/1886/sn74hc595-1886281.pdf?src-supplier=Digi-Key, ComponentLink7URL=https://datasheet.ciiva.com/1886/sn74hc595-1886281.pdf?src-supplier=Digi-Key, ComponentLink8Description=https://datasheet.ciiva.com/1509/1831198-1509483.pdf?src-supplier=Element14, ComponentLink8URL=https://datasheet.ciiva.com/1509/1831198-1509483.pdf?src-supplier=Element14, ComponentLink9Description=https://datasheet.ciiva.com/46381/1886142-46381835.pdf?src-supplier=Element14, ComponentLink9URL=https://datasheet.ciiva.com/46381/1886142-46381835.pdf?src-supplier=Element14, ComponentLink10Description=https://datasheet.ciiva.com/14294/sn74hc595-14294989.pdf?src-supplier=Avnet, ComponentLink10URL=https://datasheet.ciiva.com/14294/sn74hc595-14294989.pdf?src-supplier=Avnet, ComponentLink11Description=https://datasheet.ciiva.com/14294/sn74hc595-14294991.pdf?src-supplier=Avnet, ComponentLink11URL=https://datasheet.ciiva.com/14294/sn74hc595-14294991.pdf?src-supplier=Avnet, ComponentLink12Description=https://datasheet.ciiva.com/46435/1831198-46435871.pdf?src-supplier=Element14, ComponentLink12URL=https://datasheet.ciiva.com/46435/1831198-46435871.pdf?src-supplier=Element14, Contact Plating=Gold, DatasheetVersion=SCLS041H, Direction=Unidirectional, Height=1.58mm, Input Type=CMOS, Lead Free="Lead Free", Length=9.9mm, Logic Function="Shift Register", Manufacturer Part Number=SN74HC595DR, Mount="Surface Mount", Number of Bits=8, Number of Bits per Element=8, Number of Circuits=4, Number of Elements=1, Number of Output Lines=10, Number of Pins=16, Output Drive (IOL/IOH)(Max)(mA)=7.8/-7.8, Output Type=CMOS, PackageReference=D0016A, PackageVersion=http://www.ti.com/lit/ml/mpds178g/mpds178g.pdf, Packaging="Tape and Reel", Pricing 1="1=0.51000, 10=0.43300, 100=0.32300, 500=0.25380, 1000=0.19611 (USD)", Propagation Delay=250ns, Radiation Hardening=No, REACH SVHC="No SVHC", RoHS=Yes, Stock 1=38406, Supplier 1=Digi-Key, Technology Family=HC, Termination=SMD/SMT, Turn-On Delay Time=250ns, VCC(Max)(V)=6, VCC(Min)(V)=2, Weight=0.004998oz, Width=3.91mm
U3: "Octal Buffers/Drivers With 3-State Outputs", Manufacturer_Name="Texas Instruments", Mouser Part Number=595-SN74ABT240ADBR, Datasheet Link=http://www.ti.com/lit/gpn/sn74abt240a, Geometry.Height=2mm, Manufacturer_Part_Number=SN74ABT240ADBR, Mouser Price/Stock=https://www.mouser.co.uk/ProductDetail/Texas-Instruments/SN74ABT240ADBR?qs=JHHQeKcAU3Dt82k%252BVyiYdw%3D%3D
U4 U5 U6: "Hex Inverters", Manufacturer_Name="Texas Instruments", Mouser Part Number=595-SN74AC04PWR, Datasheet Link=http://www.ti.com/lit/gpn/sn74ac04, Geometry.Height=1.2mm, Manufacturer_Part_Number=SN74AC04PWR, Mouser Price/Stock=https://www.mouser.co.uk/ProductDetail/Texas-Instruments/SN74AC04PWR?qs=RZS%252BpEsUn7pRvPNqsga4SA%3D%3D

## Free pads (board coordinates)
  round 200 hole 170: 37(200,200) 37(200,3800) 37(5400,200) 37(5400,3800)

## Via types
v1: diameter 50, hole 28, Top Layer to Bottom Layer, 331 vias

## Nets (pads, with @x,y where several pads share a name; then routed paths per layer and width w, separated by ;. In a path a pad name is that pad's centre, name@x,y a point inside that pad or via, vN(x,y) a via of type N, cw(c..) or ccw(c..) an arc to the next point about the centre after c; other vN are vias at no path point)
75ALS194EN: B7.4 B7.12 B10.4 B10.12 R103.2 R191.2 TP15.1 | length 11642.4
  Top Layer w10: R103.2@1320,256.5 1320,140 1330,130 v1(1440,130) ; R191.2@1681.5,2740 1691.5,2750 v1(1765,2750) 1884.14,2750 1890,2744.14 1890,2085.86 1900.86,2075 2194.14,2075 2220,2100.86 2220,2134.14 2230.86,2145 2315,2145 2360,2100 v1(2360,2070) ; v1@2690,1910 2660,1880 2660,1705 2680,1685 2942.57,1685 2967.57,1710 2991.21,1710 3006.21,1725 3390,1725 3400,1735 3400,1810 v1(3570,1810) ; v1(2980,120) 2987.65,127.65 2987.65,157.65 3000,170 v1(3220,170) ; B7.4@3153.23,1150 3230,1150 3280,1100 B7.12@3366.77,1100 3690,1100 3770,1180 3930,1180 3970,1140 v1(3970,1000) ; v1@3690,1800 3690,1665.86 3695.86,1660 4360,1660 v1(4400,1700) ; v1(4190,320) 4190,399.14 ; v1@4400,1400 v1(4400,1180) 4400,835.86 4394.14,830 4195.86,830 4190,824.14 4190,399.14 ; B10.12@4736.77,355 4645,355 4595,405 B10.4@4523.23,405 4195.86,405 4190,399.14
  Bottom Layer w10: TP15.1@1410,2910 1684.14,2910 1690,2904.14 1690,2825 v1(1765,2750) ; v1(1440,130) 1470,100 2510,100 2520,110 2520,160 2575,215 2730,215 2825,120 v1(2980,120) ; v1(2360,2070) 2500,1930 2659.18,1930 2679.18,1910 v1@2690,1910 ; v1(3220,170) 3210,180 3210,214.14 3215.86,220 4140,220 4190,270 v1(4190,320) ; v1(3570,1810) v1(3690,1810) ; v1(3970,1000) 4025,945 4335,945 4400,1010 v1(4400,1180) ; v1@4400,1400 v1(4400,1700)
  other v1: 4405,1410 2680,1910
75ALS194EN_INV: LED11.1 R190.1 TP18.1 | length 3122.1
  Top Layer w10: R190.1@1681.5,2680 1691.5,2670 1764.14,2670 1784.14,2650 v1(1785,2650) ; v1(3460,3220) 3461.5,3220 LED11.1@3560,3318.5
  Bottom Layer w10: TP18.1@1420,2490 1470,2490 1480,2500 1480,2664.14 1485.86,2670 1764.14,2670 1784.14,2650 v1(1785,2650) 1790,2655 1790,2690 1810,2710 1810,2830 1800,2840 1740,2840 1720,2860 1720,2925.36 1859.64,3065 1990,3065 1997.32,3072.32 1997.32,3202.68 2044.64,3250 2756.48,3250 2781.48,3225 3455,3225 v1(3460,3220)
+3.3: H3.3 R145.2 TP1.1 | length 5491
  Top Layer w10: H3.3@200,1800 140,1800 80,1860 80,2824.14 85.86,2830 363.83,2830 369.69,2835.86 369.69,3194.14 367.65,3196.18 367.65,3212.35 v1(360,3220)
  Bottom Layer w10: v1(360,3220) 405,3265 3864.14,3265 3870,3270.86 R145.2@3870,3318.5 3751.5,3318.5 TP1.1@3750,3320
+5: B1.5 B2.5 B3.5 B4.5 B5.5 B6.5 B7.16 B8.5 B9.5 B10.16 C1.1 C2.1 C3.1 C4.1 C5.1 C6.1 H3.1 H4.2 IC1.10 IC1.18 IC1.28 R120.2 R121.2 R122.2 R123.2 R124.2 R125.2 R126.2 R127.2 R128.2 R129.2 R130.2 R131.2 R132.2 R133.2 R134.2 R135.2 R136.2 R137.2 R138.2 R139.2 R140.2 R141.2 R142.2 R143.2 R144.2 R150.2 R151.2 R152.2 R153.2 R154.2 R155.2 R156.2 R157.2 R169.2 R170.2 R171.2 R172.2 U1.16 U2.16 U3.20 U4.14 U5.14 U6.14 | length 8627.6
  Top Layer w10: U3.20@569.76,2695.16 569.76,2779.76 580,2790 v1(630,2790) ; IC1.10@1161.26,473.15 1161.26,561.26 1167.12,567.12 1255.75,567.12 ; IC1.28@1255.75,806.85 1255.75,567.12 ; v1(1360,2370) 1365.86,2375.86 1365.86,2396.77 U6.14@1475.67,2396.77 ; v1(1380,2760) 1370,2770 1370,2784.14 1375.86,2790 1492.44,2790 U5.14@1495.67,2786.77 ; v1(1510,530) 1509.14,529.14 1500.86,529.14 1468.74,561.26 IC1.18@1406.85,561.26 1261.61,561.26 1255.75,567.12 ; B8.5@2319.8,1880 v1(2432.4,1880) ; B5.5@2319.8,2210 v1(2422.4,2210) ; B3.5@2319.8,2540 v1(2432.4,2540) ; B1.5@2319.8,2870 v1(2432.4,2870) ; v1(2440,750) 2440,809.14 2445.86,815 U1.16@2536.77,815 ; v1(2450,1230) 2450,1294.14 2455.86,1300 U2.16@2536.77,1300 ; B9.5@3124.8,1880 v1(3232.4,1880) ; B6.5@3124.8,2210 v1(3232.4,2210) ; B4.5@3124.8,2540 v1(3242.4,2540) ; B2.5@3124.8,2870 v1(3232.4,2870) ; v1(3260,1270) 3260,1294.14 3265.86,1300 B7.16@3366.77,1300 ; v1(3560,640) 3560,662.09 3565.86,667.95 U4.14@3680,667.95 ; v1(4630,520) 4630,549.14 4635.86,555 B10.16@4736.77,555
  Bottom Layer w10: R127.2@780,3318.5 R126.2@880,3318.5 R125.2@980,3318.5 R124.2@1080,3318.5 R123.2@1180,3318.5 R122.2@1280,3318.5 R121.2@1380,3318.5 R120.2@1480,3318.5 R133.2@1610,3318.5 1684.14,3318.5 1690,3324.36 v1(1690,3440) ; C6.1@1158.5,710 C2.1@1158.5,640 C3.1@1158.5,570 1158.5,525.86 1164.36,520 1334.14,520 1340,525.86 1340,568.5 C1.1@1341.5,570 ; C4.1@1341.5,710 C1.1@1341.5,570 ; v1(1510,530) 1470,570 C1.1@1341.5,570 ; R131.2@1770,3318.5 R132.2@1930,3318.5 R134.2@2050,3318.5 R135.2@2180,3318.5 2258.5,3318.5 2270,3330 v1(2270,3440) ; R128.2@2360,3318.5 R129.2@2510,3318.5 R171.2@2690,3318.5 2784.14,3318.5 2790,3324.36 v1(2790,3440) ; R172.2@2910,3318.5 R169.2@3100,3318.5 R170.2@3230,3318.5 3360,3318.5 ; v1(3360,3410) 3360,3318.5 ; R130.2@3561.5,3320 R130.2@3560,3318.5 3360,3318.5 ; v1(3700,1330) 3720,1330 3721.5,1328.5 R136.2@3820,1328.5 R137.2@3960,1328.5 R138.2@4100,1328.5 ; v1(3710,2600) 3720,2590 3723.5,2593.5 R150.2@3820,2593.5 R151.2@3960,2593.5 R152.2@4090,2593.5 R153.2@4220,2593.5 R154.2@4340,2593.5 R155.2@4470,2593.5 R156.2@4600,2593.5 R157.2@4720,2593.5 ; R144.2@4045,3318.5 4052.59,3310.91 4145.05,3310.91 4150.91,3316.77 4150.91,3354.14 4152.35,3355.58 4152.35,3372.35 v1(4160,3380) ; R139.2@4220,1328.5 R140.2@4340,1328.5 R141.2@4470,1328.5 R142.2@4600,1328.5 4660,1328.5 ; v1(4660,1220) 4660,1328.5 ; R143.2@4720,1328.5 4660,1328.5
CPU_CS: LED13.1 R76.2 R105.2 | length 6086.3
  Top Layer w10: R76.2@931.5,1450 v1(1010,1450) ; v1(1060,1810) 1060,1770 1040,1750 910,1750 885,1775 885,2139.14 879.14,2145 818.79,2145 813.79,2150 810,2150 810,2860 785,2885 540.86,2885 535,2890.86 535,3084.14 540.86,3090 1924.14,3090 1930,3095.86 LED13.1@1930,3318.5 ; v1(1260,130) R105.2@1260,256.5
  Bottom Layer w10: v1(1060,1810) 1130,1810 1150,1790 1150,1445.86 1144.14,1440 1035.86,1440 1033.51,1442.35 1017.65,1442.35 v1(1010,1450) 910.86,1450 905,1444.14 905,115.86 910.86,110 1234.14,110 1254.14,130 v1(1260,130)
CPU_D0: R65.1 R81.1 U3.2 | length 3033.4
  Top Layer w10: U3.2@290.24,2669.57 100.86,2669.57 95,2663.71 95,1995.86 100.86,1990 620,1990 630,1980 630,1901.5 R65.1@631.5,1900 674.14,1900 680,1905.86 v1(680,1960) ; R81.1@1150,1081.5 1150,1110 1240,1200 v1(1240,1900)
  Bottom Layer w10: v1(680,1960) 1180,1960 v1(1240,1900)
CPU_D1: R67.1 R83.1 U3.4 | length 3192
  Top Layer w10: U3.4@290.24,2618.39 115.86,2618.39 110,2612.53 110,2015.86 115.86,2010 794.14,2010 800,2004.14 800,1920 757.65,1877.65 737.65,1877.65 v1(730,1870) 737.65,1862.35 737.65,1846.49 740,1844.14 740,1805.86 734.14,1800 R67.1@631.5,1800 ; v1(1020,1905) 1030.82,1905 1045.82,1920 1150,1920 1220,1850 1220,1230 1103.7,1113.7 1103.7,1092.24 1092.95,1081.5 R83.1@1090,1081.5
  Bottom Layer w10: v1(730,1870) 765,1905 v1(1020,1905)
CPU_D2: R70.1 R85.1 U3.6 | length 3233.6
  Top Layer w10: U3.6@290.24,2567.2 130.86,2567.2 125,2561.35 125,2030.86 130.86,2025 815,2025 822.65,2017.35 822.65,1785.86 816.8,1780 790,1780 v1(740,1730) 710,1700 R70.1@631.5,1700 ; R85.1@1030,1081.5 1030,1110 1199.39,1279.39 1199.39,1800.61 v1(1140,1860)
  Bottom Layer w10: v1(740,1730) 780,1770 780,1850 790,1860 v1(1140,1860)
CPU_D3: R73.1 R87.1 U3.8 | length 3215.4
  Top Layer w10: U3.8@290.24,2516.02 145.86,2516.02 140,2510.17 140,2045.86 145.86,2040 830,2040 837.65,2032.35 837.65,1717.65 v1(830,1710) ; v1(600,870) R87.1@768.5,870 ; R73.1@631.5,1600 v1(750,1600)
  Bottom Layer w10: v1(600,870) 555.86,870 550,875.86 550,1060 560,1070 840,1070 855,1085 855,1594.14 849.14,1600 820,1600 ; v1(750,1600) 820,1600 ; v1(830,1710) 830,1610 820,1600
CPU_D4: R75.1 R89.1 U3.11 | length 2690.2
  Top Layer w10: U3.11@569.76,2464.84 576.14,2464.84 580,2460.98 580,2095.86 585.86,2090 v1(700,2090) ; R75.1@631.5,1500 v1(750,1500) ; v1(670,810) R89.1@768.5,810
  Bottom Layer w10: v1(670,810) 540.86,810 535,815.86 535,1074.14 545.86,1085 833.79,1085 840,1091.21 840,1490 830,1500 v1(750,1500) 635.86,1500 630,1505.86 630,2084.14 635.86,2090 v1(700,2090)
CPU_D5: R77.1 R91.1 U3.13 | length 2818.7
  Top Layer w10: U3.13@569.76,2516.02 614.14,2516.02 620,2510.17 620,2175.86 625.86,2170 v1(700,2170) ; v1(600,750) R91.1@768.5,750 ; R77.1@631.5,1400 v1(750,1400)
  Bottom Layer w10: v1(600,750) 525.86,750 520,755.86 520,1094.14 525.86,1100 809.14,1100 820,1110.86 820,1394.14 814.14,1400 v1(750,1400) 640,1400 610,1430 610,2164.14 615.86,2170 v1(700,2170)
CPU_D6: R79.1 R93.1 U3.15 | length 2984.9
  Top Layer w10: U3.15@569.76,2567.2 632.8,2567.2 650,2550 650,2245.86 655.86,2240 v1(700,2240) ; R79.1@631.5,1300 v1(750,1300) ; v1(670,690) R93.1@768.5,690 758.5,700 750,700
  Bottom Layer w10: v1(670,690) 515.86,690 505,700.86 505,1105.36 514.64,1115 789.14,1115 800,1125.86 800,1294.14 794.14,1300 v1(750,1300) 595.86,1300 590,1305.86 590,2234.14 595.86,2240 v1(700,2240)
CPU_D7: R80.1 R95.1 U3.17 | length 3037.7
  Top Layer w10: U3.17@569.76,2618.39 661.61,2618.39 700,2580 v1(700,2320) ; v1(610,630) R95.1@768.5,630 ; R80.1@631.5,1200 v1(750,1200)
  Bottom Layer w10: v1(610,630) 505.86,630 490,645.86 490,1124.14 495.86,1130 740,1130 750,1140 v1(750,1200) 575.86,1200 570,1205.86 570,2314.14 575.86,2320 v1(700,2320)
CPU_nInt: LED14.1 R71.2 R107.2 | length 5483.1
  Top Layer w10: v1(810,250) 860,250 890,220 890,135.86 900.86,125 1134.14,125 1140,130.86 R107.2@1140,256.5 ; R71.2@931.5,1650 v1(1010,1650) 1010,1714.14 1004.14,1720 897.57,1720 855,1762.57 855,2099.14 844.14,2110 780,2110 780,2840 770,2850 519.64,2850 505,2864.64 505,3100.36 524.64,3120 1604.14,3120 1610,3125.86 LED14.1@1610,3318.5
  Bottom Layer w10: v1(810,250) 820,240 864.14,240 875,250.86 875,1644.14 880.86,1650 v1(1010,1650) 1017.65,1657.65 v1@1033.51,1657.65
CPU_Reset: LED12.1 R78.2 R84.2 | length 4751.3
  Top Layer w10: R78.2@931.5,1350 989.18,1350 999.18,1340 v1(1010,1340) 1144.14,1340 1150,1345.86 1150,1710 1125,1735 903.79,1735 870,1768.79 870,2124.14 864.14,2130 795,2130 795,2853.79 778.79,2870 534.64,2870 520,2884.64 520,3090.36 534.64,3105 1610.36,3105 1770,3264.64 LED12.1@1770,3318.5 ; R84.2@1360,1081.5 v1(1360,1160)
  Bottom Layer w10: v1(1010,1340) 1010,1050.86 1015.86,1045 1354.14,1045 1360,1050.86 v1(1360,1160)
CPU_RnW: LED16.1 R74.2 R106.2 R193.2 | length 9595.6
  Top Layer w10: v1(810,170) 813.28,166.72 813.28,136.72 840,110 1160,110 1200,150 R106.2@1200,256.5 ; R74.2@931.5,1550 v1(1010,1550) ; v1(980,1810) 977.57,1807.57 923.64,1807.57 900,1831.21 900,1950 ; R193.2@1681.5,2860 1690,2868.5 1690,2934.14 1695.86,2940 1900,2940 1910,2930 1910,2215.86 1915.86,2210 v1(1970,2210) ; v1(2030,1650) 2024.14,1650 2004.14,1630 1705.86,1630 1700,1635.86 1700,1690 1680,1710 1294.64,1710 1288.79,1715.86 1288.79,1945 952.57,1945 947.57,1950 900,1950 ; LED16.1@2180,3318.5 2180,3075.86 2174.14,3070 555.86,3070 550,3064.14 550,2905.86 555.86,2900 791.21,2900 825,2866.21 825,2160 894.14,2160 900,2154.14 900,1950
  Bottom Layer w10: v1(810,170) 870,170 890,190 890,1544.14 895.86,1550 v1(1010,1550) 1017.65,1557.65 1033.51,1557.65 1035.86,1560 1094.14,1560 1100,1565.86 1100,1730 1090,1740 1010,1740 1000,1750 1000,1784.14 980,1804.14 v1(980,1810) ; v1(1970,2210) 1962.35,2202.35 1946.49,2202.35 1944.14,2200 1900,2200 1885,2185 1885,2039.64 1904.64,2020 2019.14,2020 2025,2014.14 2025,1903.54 2019.14,1897.68 1952.32,1897.68 1935,1880.36 1935,1666.21 1951.21,1650 v1(2030,1650)
CPU_RnW_Inverted: LED15.1 R192.1 | length 809.9
  Top Layer w10: R192.1@1681.5,2800 1740,2800 1770,2830 v1(1770,2880) ; v1(2050,3160) LED15.1@2050,3318.5
  Bottom Layer w10: v1(1770,2880) 1770,2954.14 1865.86,3050 2044.14,3050 2050,3055.86 v1(2050,3160)
Diff_Channel_Out_0: R5.2 R49.1 | length 2499.4
  Top Layer w10: v1(2624,2079) 2628,2083 2647,2083 2659,2095 2659,2511 2650,2520 2603.86,2520 2598,2525.86 2598,2866 2653,2921 2653,2992.14 2658.86,2998 2729.14,2998 2767.14,2960 R5.2@2855.91,2960 ; v1(2822,1725) 2985,1725 v1(3050,1790) ; v1@2910,1340 2920.82,1340 2930.82,1330 R49.1@2978.5,1330
  Bottom Layer w10: v1(2624,2079) 2676,2027 2676,2004.14 2813,1867.14 2813,1750.86 2814.35,1749.51 2814.35,1732.65 v1(2822,1725) ; v1(2915,1345) 2922.65,1352.65 2922.65,1370.51 2923,1370.86 2923,1488.35 2960,1525.35 2960,1700 v1(3050,1790)
Diff_Channel_Out_0_A: B7.2 R25.1 | length 2839.6
  Top Layer w10: v1(2970,1470) 2970,1480.82 2985,1495.82 2985,1576.51 3038.49,1630 4820,1630 4830,1640 4830,1714.14 4835.86,1720 4954.14,1720 4960,1714.14 4960,1700 R25.1@5218.5,1700 ; v1(3010,1260) 3020.82,1260 3030.82,1250 B7.2@3153.23,1250
  Bottom Layer w10: v1(2970,1470) 2970,1464.14 3010,1424.14 v1(3010,1260)
Diff_Channel_Out_0_B: B7.3 R26.2 | length 2935
  Top Layer w10: v1(3020,1550) 3020,1590.29 3039.71,1610 4894.14,1610 4900,1615.86 4900,1644.14 4897.65,1646.49 4897.65,1662.35 v1(4890,1670) ; v1(3060,1200) B7.3@3153.23,1200
  Bottom Layer w10: v1(3020,1550) 3025,1545 3025,1385.86 3030.86,1380 3114.14,1380 3120,1374.14 3120,1205.86 3114.14,1200 v1(3060,1200) ; v1(4890,1670) 4900,1680 5074.14,1680 5080,1674.14 5080,1655.86 5085.86,1650 R26.2@5218.5,1650